# Altium PCB PCB.PcbDoc (part 9 of 11)
Units mm, origin at the board's own origin, x right, y up, seen from the top; angles counter-clockwise.
Board outline 134.62 x 134.62 mm, 2 copper layers (Top Layer, Bottom Layer); 223 components, 326 nets, 5222 pads, 379 vias.
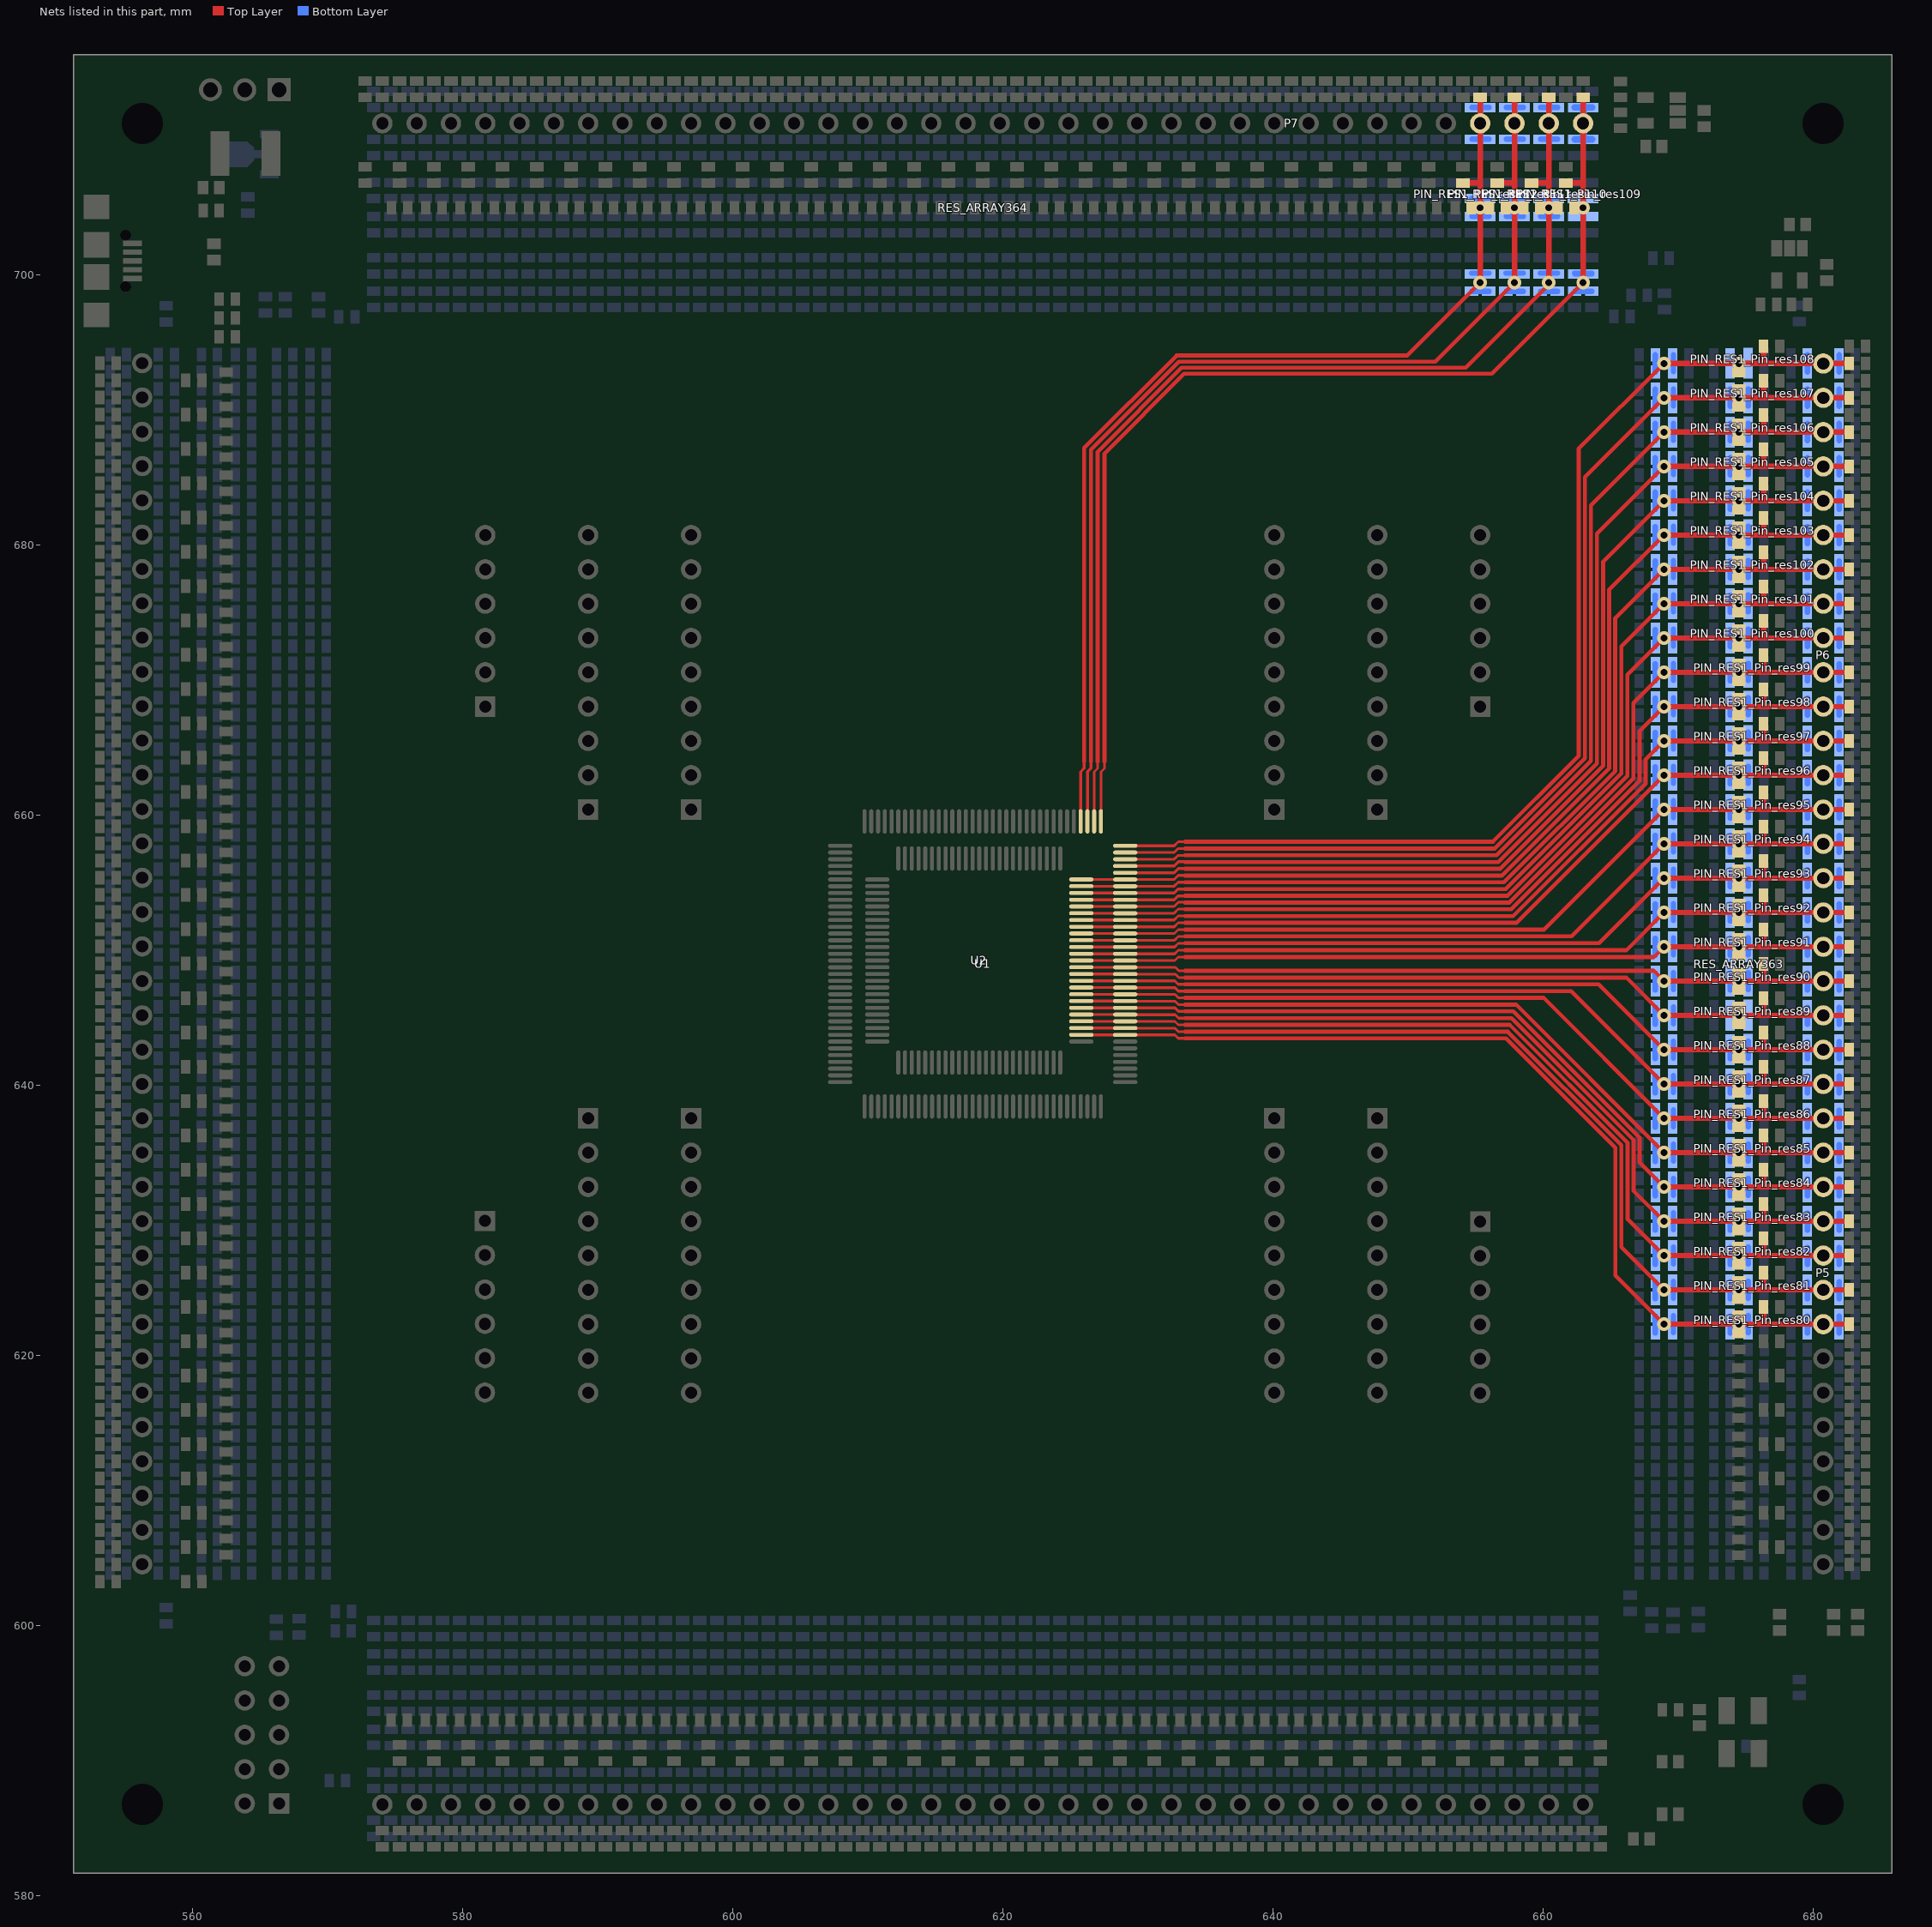
[diagram p9: the nets of this part, all layers, seen from the top]

## Via types
v1: diameter 1, hole 0.5, Top Layer to Bottom Layer, 322 vias
v2: diameter 1, hole 0.5, Top Layer to Bottom Layer, tented both sides, 57 vias

## Nets (pads, with @x,y where several pads share a name; then routed paths per layer and width w, separated by ;. In a path a pad name is that pad's centre, name@x,y a point inside that pad or via, vN(x,y) a via of type N, cw(c..) or ccw(c..) an arc to the next point about the centre after c; other vN are vias at no path point) (continued)
P80: P5.8 PIN_RES1_Pin_res80.14 RES_ARRAY363.8 U1.80 U2.52 | length 85.9
  Top Layer w0.2: U2.52@625.786,643.724 625.79,643.72 U1.80@629.04,643.72 632.71,643.72 632.968,643.462 633.476,643.462
  Top Layer w0.3: 633.476,643.462 657.231,643.462 665.328,635.365 665.328,625.906 v1(668.934,622.3)
  Top Layer w0.4: v1(668.934,622.3) v1(674.472,622.3) 676.275,622.3 ; PIN_RES1_Pin_res80.14@676.31,623.57 676.31,622.335 676.275,622.3 ; PIN_RES1_Pin_res80.14@682.66,622.3 P5.8@680.72,622.3 676.275,622.3
  Bottom Layer w0.4: PIN_RES1_Pin_res80.14@668.29,621.64 PIN_RES1_Pin_res80.14@668.29,621.665 668.29,622.275 ; PIN_RES1_Pin_res80.14@668.29,622.91 668.29,622.275 ; v1(668.934,622.3) 669.63,622.3 ; PIN_RES1_Pin_res80.14@669.63,621.665 669.63,622.275 ; PIN_RES1_Pin_res80.14@669.63,622.935 669.63,622.3 ; PIN_RES1_Pin_res80.14@673.827,621.64 PIN_RES1_Pin_res80.14@673.827,621.665 673.827,622.275 ; PIN_RES1_Pin_res80.14@673.827,622.91 673.827,622.275 ; PIN_RES1_Pin_res80.14@675.167,621.665 675.167,622.275 ; PIN_RES1_Pin_res80.14@675.167,622.935 675.167,622.275 ; PIN_RES1_Pin_res80.14@679.542,621.64 PIN_RES1_Pin_res80.14@679.542,621.665 679.542,622.275 ; PIN_RES1_Pin_res80.14@679.542,622.91 679.542,622.275 ; PIN_RES1_Pin_res80.14@681.898,621.64 PIN_RES1_Pin_res80.14@681.898,621.665 681.898,622.275 ; PIN_RES1_Pin_res80.14@681.898,622.91 681.898,622.275 ; 668.29,622.275 669.63,622.275 ; 669.63,622.275 669.63,622.3 ; 673.827,622.275 675.167,622.275 ; 679.542,622.275 681.898,622.275
P81: P5.9 PIN_RES1_Pin_res81.14 RES_ARRAY363.9 U1.81 U2.53 | length 84
  Top Layer w0.2: U2.53@625.786,644.224 625.79,644.22 U1.81@629.04,644.22 629.052,644.208 632.726,644.208 632.98,643.954 633.476,643.954
  Top Layer w0.3: 633.476,643.954 657.375,643.954 665.778,635.551 665.778,627.996 v1(668.934,624.84)
  Top Layer w0.4: v1(668.934,624.84) v1(674.472,624.84) 676.275,624.84 ; PIN_RES1_Pin_res81.14@676.31,626.11 676.31,624.875 676.275,624.84 ; PIN_RES1_Pin_res81.14@682.66,624.84 P5.9@680.72,624.84 676.275,624.84
  Bottom Layer w0.4: PIN_RES1_Pin_res81.14@668.29,624.18 PIN_RES1_Pin_res81.14@668.29,624.205 668.29,624.815 ; PIN_RES1_Pin_res81.14@668.29,625.45 668.29,624.815 ; v1(668.934,624.84) 669.63,624.84 ; PIN_RES1_Pin_res81.14@669.63,624.205 669.63,624.815 ; PIN_RES1_Pin_res81.14@669.63,625.475 669.63,624.84 ; PIN_RES1_Pin_res81.14@673.827,624.18 PIN_RES1_Pin_res81.14@673.827,624.205 673.827,624.815 ; PIN_RES1_Pin_res81.14@673.827,625.45 673.827,624.815 ; PIN_RES1_Pin_res81.14@675.167,624.205 675.167,624.815 ; PIN_RES1_Pin_res81.14@675.167,625.475 675.167,624.815 ; PIN_RES1_Pin_res81.14@679.542,624.18 PIN_RES1_Pin_res81.14@679.542,624.205 679.542,624.815 ; PIN_RES1_Pin_res81.14@679.542,625.45 679.542,624.815 ; PIN_RES1_Pin_res81.14@681.898,624.18 PIN_RES1_Pin_res81.14@681.898,624.205 681.898,624.815 ; PIN_RES1_Pin_res81.14@681.898,625.45 681.898,624.815 ; 668.29,624.815 669.63,624.815 ; 669.63,624.815 669.63,624.84 ; 673.827,624.815 675.167,624.815 ; 679.542,624.815 681.898,624.815
P82: P5.10 PIN_RES1_Pin_res82.14 RES_ARRAY363.10 U1.82 U2.54 | length 82
  Top Layer w0.2: U2.54@625.786,644.724 625.79,644.72 U1.82@629.04,644.72 632.71,644.72 632.968,644.462 633.476,644.462
  Top Layer w0.3: 633.476,644.462 657.504,644.462 666.228,635.738 666.228,630.086 v1(668.934,627.38)
  Top Layer w0.4: v1(668.934,627.38) v1(674.472,627.38) 676.275,627.38 ; PIN_RES1_Pin_res82.14@676.31,628.65 676.31,627.415 676.275,627.38 ; PIN_RES1_Pin_res82.14@682.66,627.38 P5.10@680.72,627.38 676.275,627.38
  Bottom Layer w0.4: PIN_RES1_Pin_res82.14@668.29,626.72 PIN_RES1_Pin_res82.14@668.29,626.745 668.29,627.355 ; PIN_RES1_Pin_res82.14@668.29,627.99 668.29,627.355 ; v1(668.934,627.38) 669.63,627.38 ; PIN_RES1_Pin_res82.14@669.63,626.745 669.63,627.355 ; PIN_RES1_Pin_res82.14@669.63,628.015 669.63,627.38 ; PIN_RES1_Pin_res82.14@673.827,626.72 PIN_RES1_Pin_res82.14@673.827,626.745 673.827,627.355 ; PIN_RES1_Pin_res82.14@673.827,627.99 673.827,627.355 ; PIN_RES1_Pin_res82.14@675.167,626.745 675.167,627.355 ; PIN_RES1_Pin_res82.14@675.167,628.015 675.167,627.355 ; PIN_RES1_Pin_res82.14@679.542,626.72 PIN_RES1_Pin_res82.14@679.542,626.745 679.542,627.355 ; PIN_RES1_Pin_res82.14@679.542,627.99 679.542,627.355 ; PIN_RES1_Pin_res82.14@681.898,626.72 PIN_RES1_Pin_res82.14@681.898,626.745 681.898,627.355 ; PIN_RES1_Pin_res82.14@681.898,627.99 681.898,627.355 ; 668.29,627.355 669.63,627.355 ; 669.63,627.355 669.63,627.38 ; 673.827,627.355 675.167,627.355 ; 679.542,627.355 680.72,627.355 681.898,627.355
P83: P5.11 PIN_RES1_Pin_res83.14 RES_ARRAY363.11 U1.83 U2.55 | length 80
  Top Layer w0.2: U2.55@625.786,645.224 625.79,645.22 U1.83@629.04,645.22 629.052,645.208 632.742,645.208 632.996,644.954 633.476,644.954
  Top Layer w0.3: 633.476,644.954 657.648,644.954 666.678,635.924 666.678,632.176 v1(668.934,629.92)
  Top Layer w0.4: v1(668.934,629.92) v1(674.472,629.92) 676.275,629.92 ; PIN_RES1_Pin_res83.14@676.31,631.19 676.31,629.955 676.275,629.92 ; PIN_RES1_Pin_res83.14@682.66,629.92 P5.11@680.72,629.92 676.275,629.92
  Bottom Layer w0.4: PIN_RES1_Pin_res83.14@668.29,629.26 PIN_RES1_Pin_res83.14@668.29,629.285 668.29,629.895 ; PIN_RES1_Pin_res83.14@668.29,630.53 668.29,629.895 ; v1(668.934,629.92) 669.63,629.92 ; PIN_RES1_Pin_res83.14@669.63,629.285 669.63,629.895 ; PIN_RES1_Pin_res83.14@669.63,630.555 669.63,629.92 ; PIN_RES1_Pin_res83.14@673.827,629.26 PIN_RES1_Pin_res83.14@673.827,629.285 673.827,629.895 ; PIN_RES1_Pin_res83.14@673.827,630.53 673.827,629.895 ; PIN_RES1_Pin_res83.14@675.167,629.285 675.167,629.895 ; PIN_RES1_Pin_res83.14@675.167,630.555 675.167,629.895 ; PIN_RES1_Pin_res83.14@679.542,629.26 PIN_RES1_Pin_res83.14@679.542,629.285 679.542,629.895 ; PIN_RES1_Pin_res83.14@679.542,630.53 679.542,629.895 ; PIN_RES1_Pin_res83.14@681.898,629.26 PIN_RES1_Pin_res83.14@681.898,629.285 681.898,629.895 ; PIN_RES1_Pin_res83.14@681.898,630.53 681.898,629.895 ; 668.29,629.895 669.63,629.895 ; 669.63,629.895 669.63,629.92 ; 673.827,629.895 675.167,629.895 ; 679.542,629.895 681.898,629.895
P84: P5.12 PIN_RES1_Pin_res84.14 RES_ARRAY363.12 U1.84 U2.56 | length 78.1
  Top Layer w0.2: U2.56@625.786,645.724 625.79,645.72 U1.84@629.04,645.72 632.725,645.72 632.983,645.462 633.476,645.462
  Top Layer w0.3: 633.476,645.462 657.777,645.462 667.128,636.111 667.128,634.266 v1(668.934,632.46)
  Top Layer w0.4: v1(668.934,632.46) v1(674.472,632.46) 676.275,632.46 ; PIN_RES1_Pin_res84.14@676.31,633.73 676.31,632.495 676.275,632.46 ; PIN_RES1_Pin_res84.14@682.66,632.46 P5.12@680.72,632.46 676.275,632.46
  Bottom Layer w0.4: PIN_RES1_Pin_res84.14@668.29,631.8 PIN_RES1_Pin_res84.14@668.29,631.825 668.29,632.435 ; PIN_RES1_Pin_res84.14@668.29,633.07 668.29,632.435 ; v1(668.934,632.46) 669.63,632.46 ; PIN_RES1_Pin_res84.14@669.63,631.825 669.63,632.435 ; PIN_RES1_Pin_res84.14@669.63,633.095 669.63,632.46 ; PIN_RES1_Pin_res84.14@673.827,631.8 PIN_RES1_Pin_res84.14@673.827,631.825 673.827,632.435 ; PIN_RES1_Pin_res84.14@673.827,633.07 673.827,632.435 ; PIN_RES1_Pin_res84.14@675.167,631.825 675.167,632.435 ; PIN_RES1_Pin_res84.14@675.167,633.095 675.167,632.435 ; PIN_RES1_Pin_res84.14@679.542,631.8 PIN_RES1_Pin_res84.14@679.542,631.825 679.542,632.435 ; PIN_RES1_Pin_res84.14@679.542,633.07 679.542,632.435 ; PIN_RES1_Pin_res84.14@681.898,631.8 PIN_RES1_Pin_res84.14@681.898,631.825 681.898,632.435 ; PIN_RES1_Pin_res84.14@681.898,633.07 681.898,632.435 ; 668.29,632.435 669.63,632.435 ; 669.63,632.435 669.63,632.46 ; 673.827,632.435 675.167,632.435 ; 679.542,632.435 681.898,632.435
P85: P5.13 PIN_RES1_Pin_res85.14 RES_ARRAY363.13 U1.85 U2.57 | length 76.2
  Top Layer w0.2: U2.57@625.786,646.224 625.79,646.22 U1.85@629.04,646.22 629.052,646.208 632.733,646.208 632.987,645.954 633.476,645.954
  Top Layer w0.3: 633.476,645.954 657.98,645.954 v1(668.934,635)
  Top Layer w0.4: v1(668.934,635) v1(674.472,635) 676.275,635 ; PIN_RES1_Pin_res85.14@676.31,636.27 676.31,635.035 676.275,635 ; PIN_RES1_Pin_res85.14@682.66,635 P5.13@680.72,635 676.275,635
  Bottom Layer w0.4: PIN_RES1_Pin_res85.14@668.29,634.34 PIN_RES1_Pin_res85.14@668.29,634.365 668.29,634.975 ; PIN_RES1_Pin_res85.14@668.29,635.61 668.29,634.975 ; v1(668.934,635) 669.63,635 ; PIN_RES1_Pin_res85.14@669.63,634.365 669.63,634.975 ; PIN_RES1_Pin_res85.14@669.63,635.635 669.63,635 ; PIN_RES1_Pin_res85.14@673.827,634.34 PIN_RES1_Pin_res85.14@673.827,634.365 673.827,634.975 ; PIN_RES1_Pin_res85.14@673.827,635.61 673.827,634.975 ; PIN_RES1_Pin_res85.14@675.167,634.365 675.167,634.975 ; PIN_RES1_Pin_res85.14@675.167,635.635 675.167,634.975 ; PIN_RES1_Pin_res85.14@679.542,634.34 PIN_RES1_Pin_res85.14@679.542,634.365 679.542,634.975 ; PIN_RES1_Pin_res85.14@679.542,635.61 679.542,634.975 ; PIN_RES1_Pin_res85.14@681.898,634.34 PIN_RES1_Pin_res85.14@681.898,634.365 681.898,634.975 ; PIN_RES1_Pin_res85.14@681.898,635.61 681.898,634.975 ; 668.29,634.975 669.63,634.975 ; 669.63,634.975 669.63,635 ; 673.827,634.975 675.167,634.975 ; 679.542,634.975 681.898,634.975
P86: P5.14 PIN_RES1_Pin_res86.14 RES_ARRAY363.14 U1.86 U2.58 | length 75.3
  Top Layer w0.2: U2.58@625.786,646.724 625.79,646.72 U1.86@629.04,646.72 632.716,646.72 632.974,646.462 633.476,646.462
  Top Layer w0.3: 633.476,646.462 660.012,646.462 v1(668.934,637.54)
  Top Layer w0.4: v1(668.934,637.54) v1(674.472,637.54) 676.275,637.54 ; PIN_RES1_Pin_res86.14@676.31,638.81 676.31,637.575 676.275,637.54 ; PIN_RES1_Pin_res86.14@682.66,637.54 P5.14@680.72,637.54 676.275,637.54
  Bottom Layer w0.4: PIN_RES1_Pin_res86.14@668.29,636.88 PIN_RES1_Pin_res86.14@668.29,636.905 668.29,637.515 ; PIN_RES1_Pin_res86.14@668.29,638.15 668.29,637.515 ; v1(668.934,637.54) 669.63,637.54 ; PIN_RES1_Pin_res86.14@669.63,636.905 669.63,637.515 ; PIN_RES1_Pin_res86.14@669.63,638.175 669.63,637.54 ; PIN_RES1_Pin_res86.14@673.827,636.88 PIN_RES1_Pin_res86.14@673.827,636.905 673.827,637.515 ; PIN_RES1_Pin_res86.14@673.827,638.15 673.827,637.515 ; PIN_RES1_Pin_res86.14@675.167,636.905 675.167,637.515 ; PIN_RES1_Pin_res86.14@675.167,638.175 675.167,637.515 ; PIN_RES1_Pin_res86.14@679.542,636.88 PIN_RES1_Pin_res86.14@679.542,636.905 679.542,637.515 ; PIN_RES1_Pin_res86.14@679.542,638.15 679.542,637.515 ; PIN_RES1_Pin_res86.14@681.898,636.88 PIN_RES1_Pin_res86.14@681.898,636.905 681.898,637.515 ; PIN_RES1_Pin_res86.14@681.898,638.15 681.898,637.515 ; 668.29,637.515 669.63,637.515 ; 669.63,637.515 669.63,637.54 ; 673.827,637.515 675.167,637.515 ; 679.542,637.515 681.898,637.515
P87: P5.15 PIN_RES1_Pin_res87.14 RES_ARRAY363.15 U1.87 U2.59 | length 74.5
  Top Layer w0.2: U2.59@625.786,647.224 625.79,647.22 U1.87@629.04,647.22 629.052,647.208 632.723,647.208 632.977,646.954 633.476,646.954
  Top Layer w0.3: 633.476,646.954 662.06,646.954 v1(668.934,640.08)
  Top Layer w0.4: v1(668.934,640.08) v1(674.472,640.08) 676.275,640.08 ; PIN_RES1_Pin_res87.14@676.31,641.35 676.31,640.115 676.275,640.08 ; PIN_RES1_Pin_res87.14@682.66,640.08 P5.15@680.72,640.08 676.275,640.08
  Bottom Layer w0.4: PIN_RES1_Pin_res87.14@668.29,639.42 PIN_RES1_Pin_res87.14@668.29,639.445 668.29,640.055 ; PIN_RES1_Pin_res87.14@668.29,640.69 668.29,640.055 ; v1(668.934,640.08) 669.63,640.08 ; PIN_RES1_Pin_res87.14@669.63,639.445 669.63,640.055 ; PIN_RES1_Pin_res87.14@669.63,640.715 669.63,640.08 ; PIN_RES1_Pin_res87.14@673.827,639.42 PIN_RES1_Pin_res87.14@673.827,639.445 673.827,640.055 ; PIN_RES1_Pin_res87.14@673.827,640.69 673.827,640.055 ; PIN_RES1_Pin_res87.14@675.167,639.445 675.167,640.055 ; PIN_RES1_Pin_res87.14@675.167,640.715 675.167,640.055 ; PIN_RES1_Pin_res87.14@679.542,639.42 PIN_RES1_Pin_res87.14@679.542,639.445 679.542,640.055 ; PIN_RES1_Pin_res87.14@679.542,640.69 679.542,640.055 ; PIN_RES1_Pin_res87.14@681.898,639.42 PIN_RES1_Pin_res87.14@681.898,639.445 681.898,640.055 ; PIN_RES1_Pin_res87.14@681.898,640.69 681.898,640.055 ; 668.29,640.055 669.63,640.055 ; 669.63,640.055 669.63,640.08 ; 673.827,640.055 675.167,640.055 ; 679.542,640.055 681.898,640.055
P88: P5.16 PIN_RES1_Pin_res88.14 RES_ARRAY363.16 U1.88 U2.60 | length 73.6
  Top Layer w0.2: U2.60@625.786,647.724 625.79,647.72 U1.88@629.04,647.72 632.71,647.72 632.968,647.462 633.476,647.462
  Top Layer w0.3: 633.476,647.462 664.092,647.462 v1(668.934,642.62)
  Top Layer w0.4: v1(668.934,642.62) v1(674.472,642.62) 676.275,642.62 ; PIN_RES1_Pin_res88.14@676.31,643.89 676.31,642.655 676.275,642.62 ; PIN_RES1_Pin_res88.14@682.66,642.62 P5.16@680.72,642.62 676.275,642.62
  Bottom Layer w0.4: PIN_RES1_Pin_res88.14@668.29,641.96 PIN_RES1_Pin_res88.14@668.29,641.985 668.29,642.595 ; PIN_RES1_Pin_res88.14@668.29,643.23 668.29,642.595 ; v1(668.934,642.62) 669.63,642.62 ; PIN_RES1_Pin_res88.14@669.63,641.985 669.63,642.595 ; PIN_RES1_Pin_res88.14@669.63,643.255 669.63,642.62 ; PIN_RES1_Pin_res88.14@673.827,641.96 PIN_RES1_Pin_res88.14@673.827,641.985 673.827,642.595 ; PIN_RES1_Pin_res88.14@673.827,643.23 673.827,642.595 ; PIN_RES1_Pin_res88.14@675.167,641.985 675.167,642.595 ; PIN_RES1_Pin_res88.14@675.167,643.255 675.167,642.595 ; PIN_RES1_Pin_res88.14@679.542,641.96 PIN_RES1_Pin_res88.14@679.542,641.985 679.542,642.595 ; PIN_RES1_Pin_res88.14@679.542,643.23 679.542,642.595 ; PIN_RES1_Pin_res88.14@681.898,641.96 PIN_RES1_Pin_res88.14@681.898,641.985 681.898,642.595 ; PIN_RES1_Pin_res88.14@681.898,643.23 681.898,642.595 ; 668.29,642.595 669.63,642.595 ; 669.63,642.595 669.63,642.62 ; 673.827,642.595 675.167,642.595 ; 679.542,642.595 681.898,642.595
P89: P5.17 PIN_RES1_Pin_res89.14 RES_ARRAY363.17 U1.89 U2.61 | length 68.2
  Top Layer w0.2: U2.61@625.786,648.224 625.79,648.22 U1.89@629.04,648.22 629.052,648.208 632.765,648.208 633.019,647.954 633.476,647.954
  Top Layer w0.3: 633.476,647.954 666.14,647.954 v1(668.934,645.16)
  Top Layer w0.4: v1(668.934,645.16) v1(674.472,645.16) 676.3,645.16 ; PIN_RES1_Pin_res89.14@676.31,646.43 676.31,645.17 676.3,645.16 ; PIN_RES1_Pin_res89.14@682.66,645.16 P5.17@680.72,645.16 676.3,645.16
  Bottom Layer w0.4: PIN_RES1_Pin_res89.14@668.29,644.5 PIN_RES1_Pin_res89.14@668.29,644.525 668.29,645.135 ; PIN_RES1_Pin_res89.14@668.29,645.77 668.29,645.135 ; PIN_RES1_Pin_res89.14@669.63,644.525 669.63,645.135 ; PIN_RES1_Pin_res89.14@669.63,645.795 669.63,645.135 ; PIN_RES1_Pin_res89.14@679.542,644.5 PIN_RES1_Pin_res89.14@679.542,644.525 679.542,645.135 ; PIN_RES1_Pin_res89.14@679.542,645.77 679.542,645.135 ; PIN_RES1_Pin_res89.14@681.898,644.5 PIN_RES1_Pin_res89.14@681.898,644.525 681.898,645.135 ; PIN_RES1_Pin_res89.14@681.898,645.77 681.898,645.135 ; 668.29,645.135 669.63,645.135 ; 679.542,645.135 681.898,645.135
P90: P5.18 PIN_RES1_Pin_res90.14 RES_ARRAY363.18 U1.90 U2.62 | length 71.9
  Top Layer w0.2: U2.62@625.786,648.724 625.79,648.72 U1.90@629.04,648.72 632.748,648.72 633.006,648.462 633.476,648.462
  Top Layer w0.3: 633.476,648.462 668.172,648.462 v1(668.934,647.7)
  Top Layer w0.4: v1(668.934,647.7) v1(674.472,647.7) 676.275,647.7 ; PIN_RES1_Pin_res90.14@676.31,648.97 676.31,647.735 676.275,647.7 ; PIN_RES1_Pin_res90.14@682.66,647.7 P5.18@680.72,647.7 676.275,647.7
  Bottom Layer w0.4: PIN_RES1_Pin_res90.14@668.29,647.04 PIN_RES1_Pin_res90.14@668.29,647.065 668.29,647.675 ; PIN_RES1_Pin_res90.14@668.29,648.31 668.29,647.675 ; v1(668.934,647.7) 669.63,647.7 ; PIN_RES1_Pin_res90.14@669.63,647.065 669.63,647.675 ; PIN_RES1_Pin_res90.14@669.63,648.335 669.63,647.7 ; PIN_RES1_Pin_res90.14@673.827,647.04 PIN_RES1_Pin_res90.14@673.827,647.065 673.827,647.675 ; PIN_RES1_Pin_res90.14@673.827,648.31 673.827,647.675 ; PIN_RES1_Pin_res90.14@675.167,647.065 675.167,647.675 ; PIN_RES1_Pin_res90.14@675.167,648.335 675.167,647.675 ; PIN_RES1_Pin_res90.14@679.542,647.04 PIN_RES1_Pin_res90.14@679.542,647.065 679.542,647.675 ; PIN_RES1_Pin_res90.14@679.542,648.31 679.542,647.675 ; PIN_RES1_Pin_res90.14@681.898,647.04 PIN_RES1_Pin_res90.14@681.898,647.065 681.898,647.675 ; PIN_RES1_Pin_res90.14@681.898,648.31 681.898,647.675 ; 668.29,647.675 669.63,647.675 ; 669.63,647.675 669.63,647.7 ; 673.827,647.675 675.167,647.675 ; 679.542,647.675 681.898,647.675
P91: P6.1 PIN_RES1_Pin_res91.14 RES_ARRAY363.19 U1.91 U2.63 | length 71.2
  Top Layer w0.2: U2.63@625.786,649.224 625.79,649.22 U1.91@629.04,649.22 632.71,649.22 632.968,649.478 633.476,649.478
  Top Layer w0.3: 633.476,649.478 668.172,649.478 v1(668.934,650.24)
  Top Layer w0.4: v1(668.934,650.24) v1(674.472,650.24) 676.275,650.24 ; PIN_RES1_Pin_res91.14@676.31,651.51 676.31,650.275 676.275,650.24 ; PIN_RES1_Pin_res91.14@682.66,650.24 P6.1@680.72,650.24 676.275,650.24
  Bottom Layer w0.4: PIN_RES1_Pin_res91.14@668.29,649.605 668.29,650.24 ; PIN_RES1_Pin_res91.14@668.29,650.875 668.29,650.24 ; PIN_RES1_Pin_res91.14@669.63,649.63 669.63,650.24 ; PIN_RES1_Pin_res91.14@669.63,650.9 669.63,650.24 ; PIN_RES1_Pin_res91.14@673.827,649.605 673.827,650.24 ; PIN_RES1_Pin_res91.14@673.827,650.875 673.827,650.24 ; PIN_RES1_Pin_res91.14@675.167,649.63 675.167,650.24 ; PIN_RES1_Pin_res91.14@675.167,650.9 675.167,650.24 ; PIN_RES1_Pin_res91.14@679.542,649.605 679.542,650.24 ; PIN_RES1_Pin_res91.14@679.542,650.875 679.542,650.24 ; PIN_RES1_Pin_res91.14@681.898,649.605 681.898,650.24 ; PIN_RES1_Pin_res91.14@681.898,650.875 681.898,650.24 ; 668.29,650.24 v1(668.934,650.24) 669.63,650.24 ; 673.827,650.24 v1(674.472,650.24) 675.167,650.24 ; 679.542,650.24 P6.1@680.72,650.24 681.898,650.24
P92: P6.2 PIN_RES1_Pin_res92.14 RES_ARRAY363.20 U1.92 U2.64 | length 72.1
  Top Layer w0.2: U2.64@625.786,649.724 625.79,649.72 U1.92@629.04,649.72 632.702,649.72 632.968,649.986 633.476,649.986
  Top Layer w0.3: 633.476,649.986 666.14,649.986 v1(668.934,652.78)
  Top Layer w0.4: v1(668.934,652.78) v1(674.472,652.78) 676.275,652.78 ; PIN_RES1_Pin_res92.14@676.31,654.05 676.31,652.815 676.275,652.78 ; PIN_RES1_Pin_res92.14@682.66,652.78 P6.2@680.72,652.78 676.275,652.78
  Bottom Layer w0.4: PIN_RES1_Pin_res92.14@668.29,652.145 668.29,652.78 ; PIN_RES1_Pin_res92.14@668.29,653.415 668.29,652.78 ; PIN_RES1_Pin_res92.14@669.63,652.17 669.63,652.78 ; PIN_RES1_Pin_res92.14@669.63,653.44 669.63,652.78 ; PIN_RES1_Pin_res92.14@673.827,652.145 673.827,652.78 ; PIN_RES1_Pin_res92.14@673.827,653.415 673.827,652.78 ; PIN_RES1_Pin_res92.14@675.167,652.17 675.167,652.78 ; PIN_RES1_Pin_res92.14@675.167,653.44 675.167,652.78 ; PIN_RES1_Pin_res92.14@679.542,652.145 679.542,652.78 ; PIN_RES1_Pin_res92.14@679.542,653.415 679.542,652.78 ; PIN_RES1_Pin_res92.14@681.898,652.145 681.898,652.78 ; PIN_RES1_Pin_res92.14@681.898,653.415 681.898,652.78 ; 668.29,652.78 v1(668.934,652.78) 669.63,652.78 ; 673.827,652.78 v1(674.472,652.78) 675.167,652.78 ; 679.542,652.78 P6.2@680.72,652.78 681.898,652.78